# Altium PCB bio_dnt_#1.PcbDoc (part 1 of 2)
Units mm, origin at the board's own origin, x right, y up, seen from the top; angles counter-clockwise.
Board outline 120.8 x 64.8 mm, 4 copper layers (Top Layer, GND Layer, Signal Layer, Bottom Layer), stack 0.603 mm thick; 141 components, 144 nets, 614 pads, 298 vias.
Unrouted connection lines stored in the file: 15.
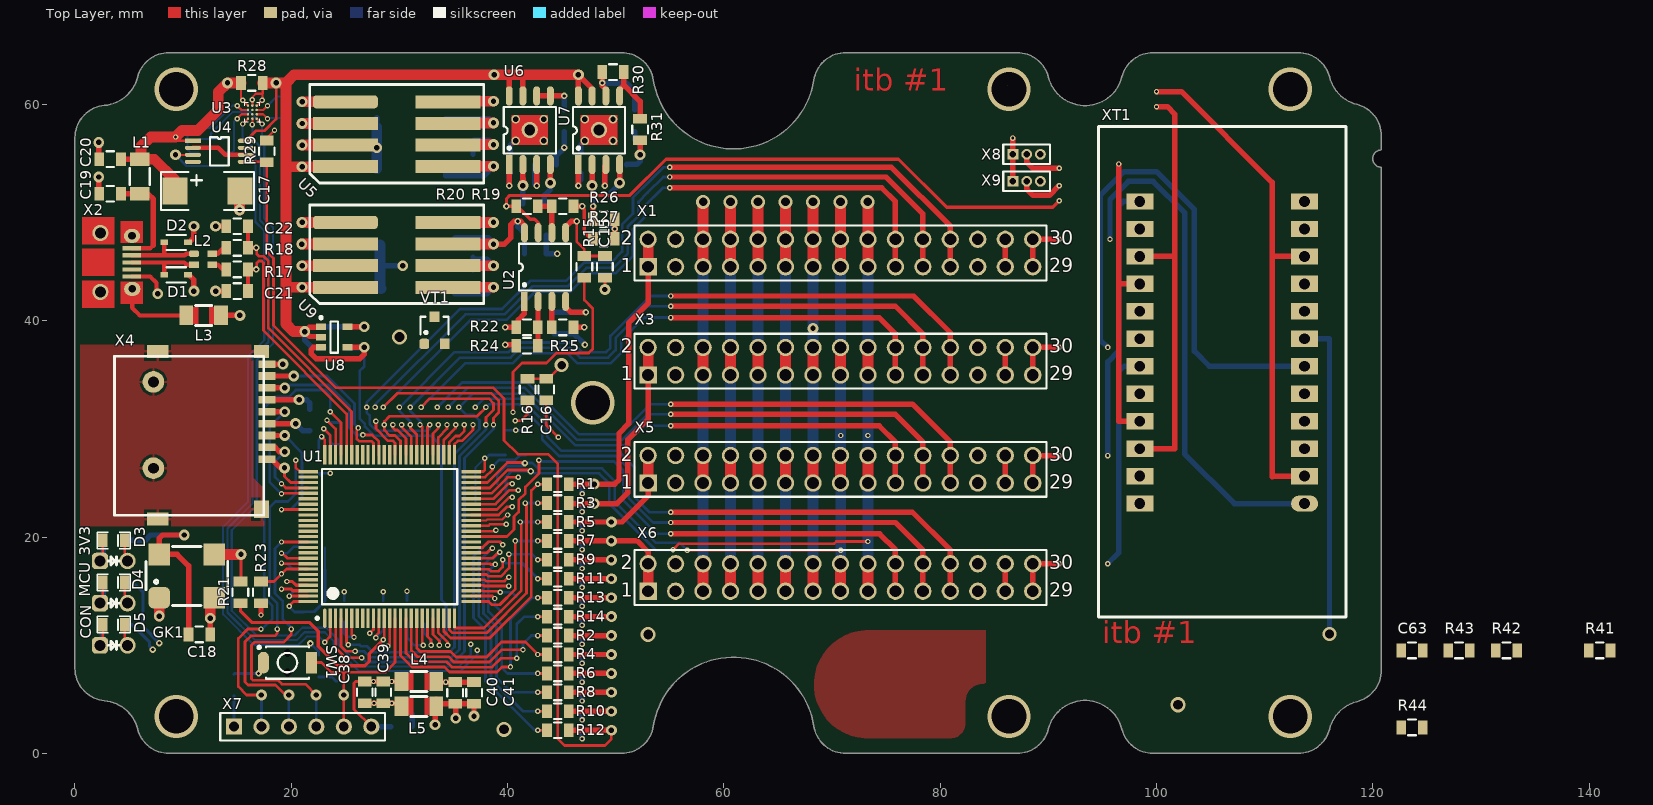
[diagram p0: Top Layer view]
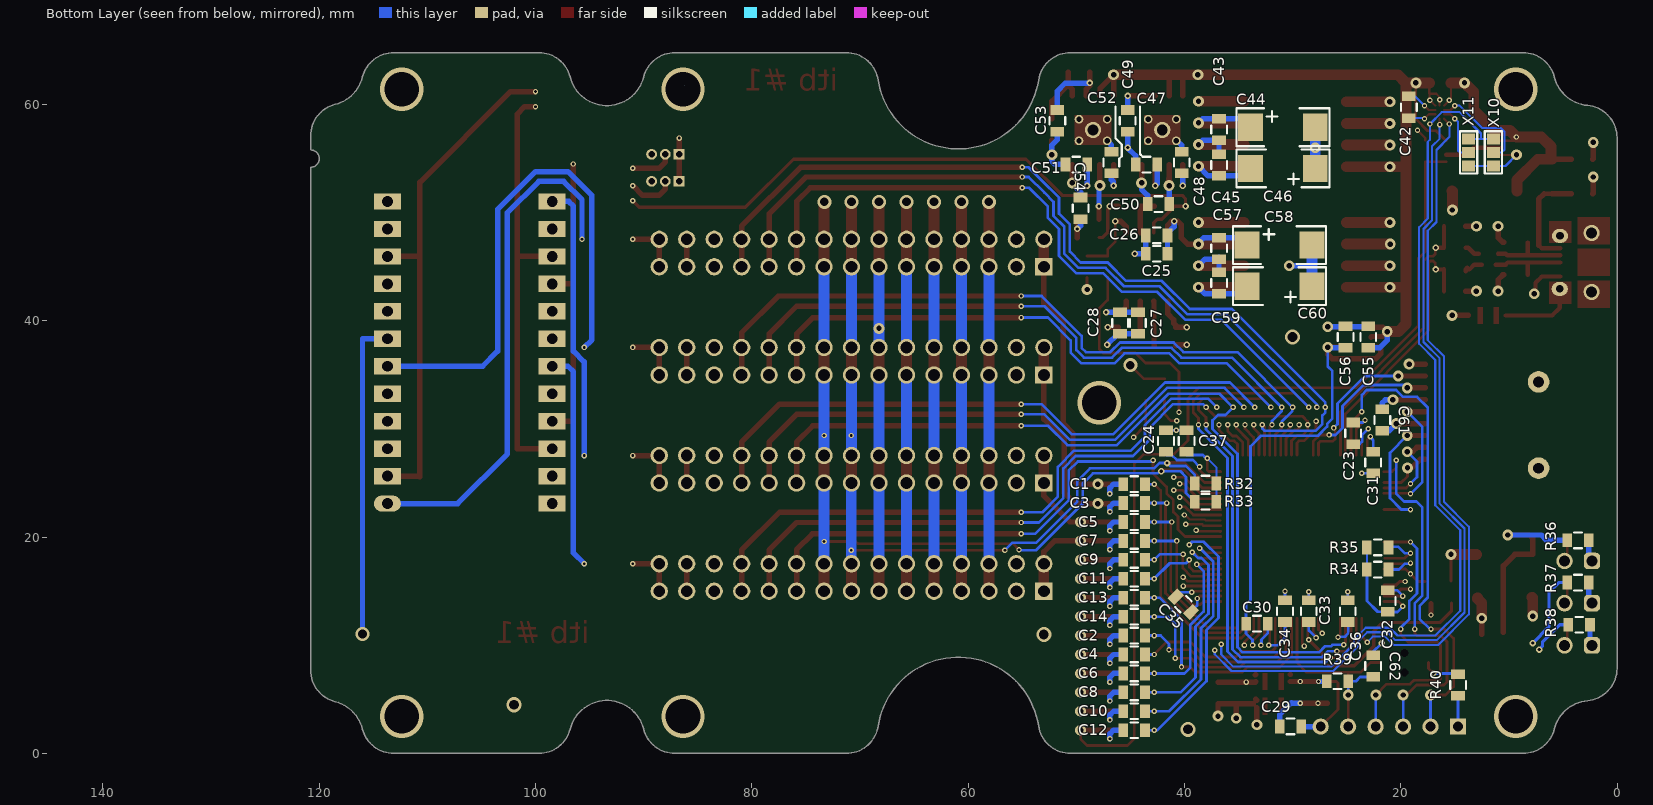
[diagram p1: Bottom Layer view, seen from below]
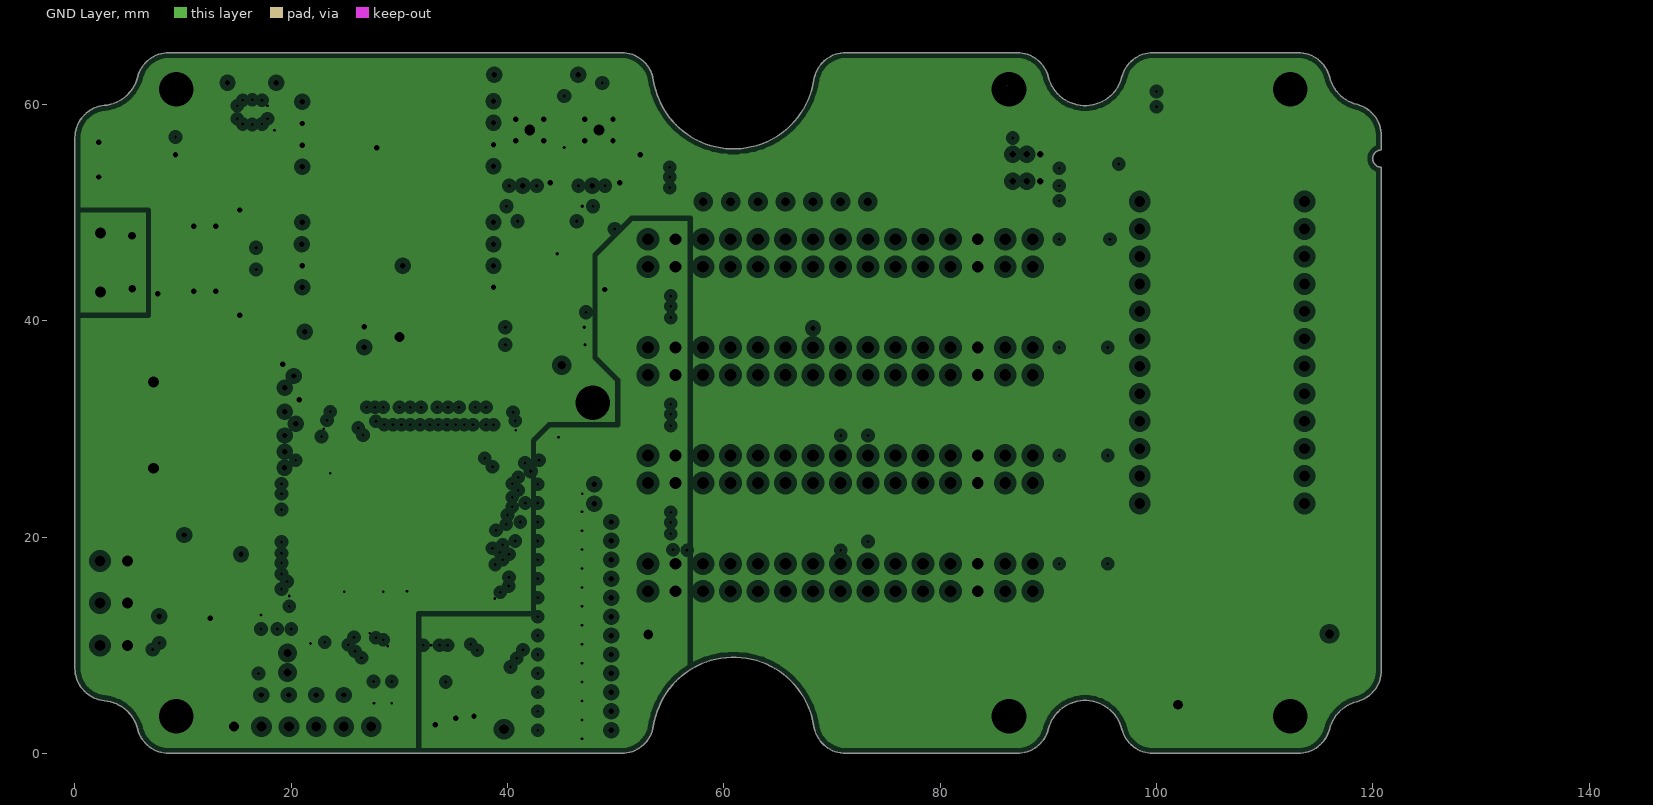
[diagram p2: GND Layer, clearances drawn from the general rule]
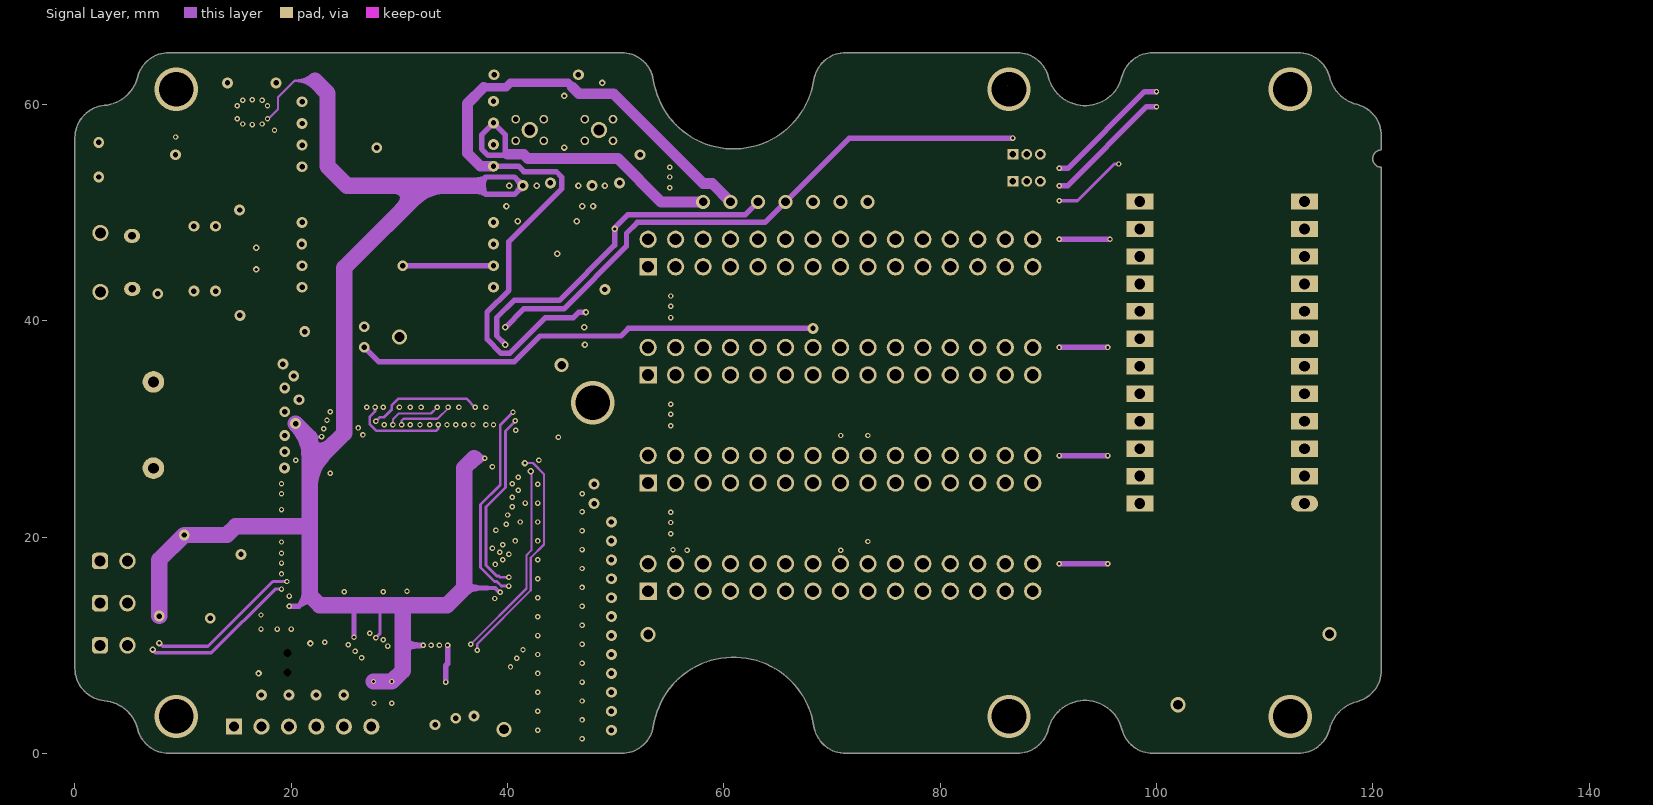
[diagram p3: Signal Layer]
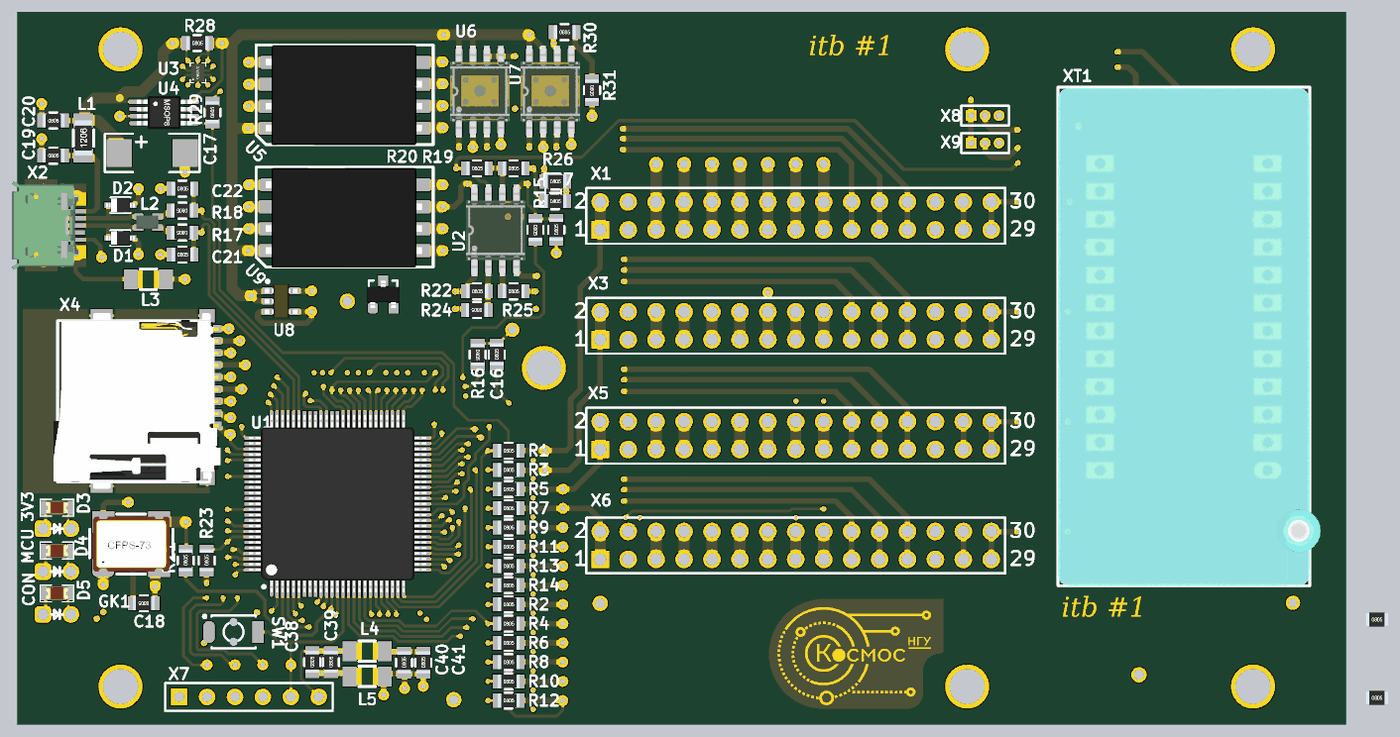
[diagram p5: 3D render of the assembled board from above, using the file's embedded part models]
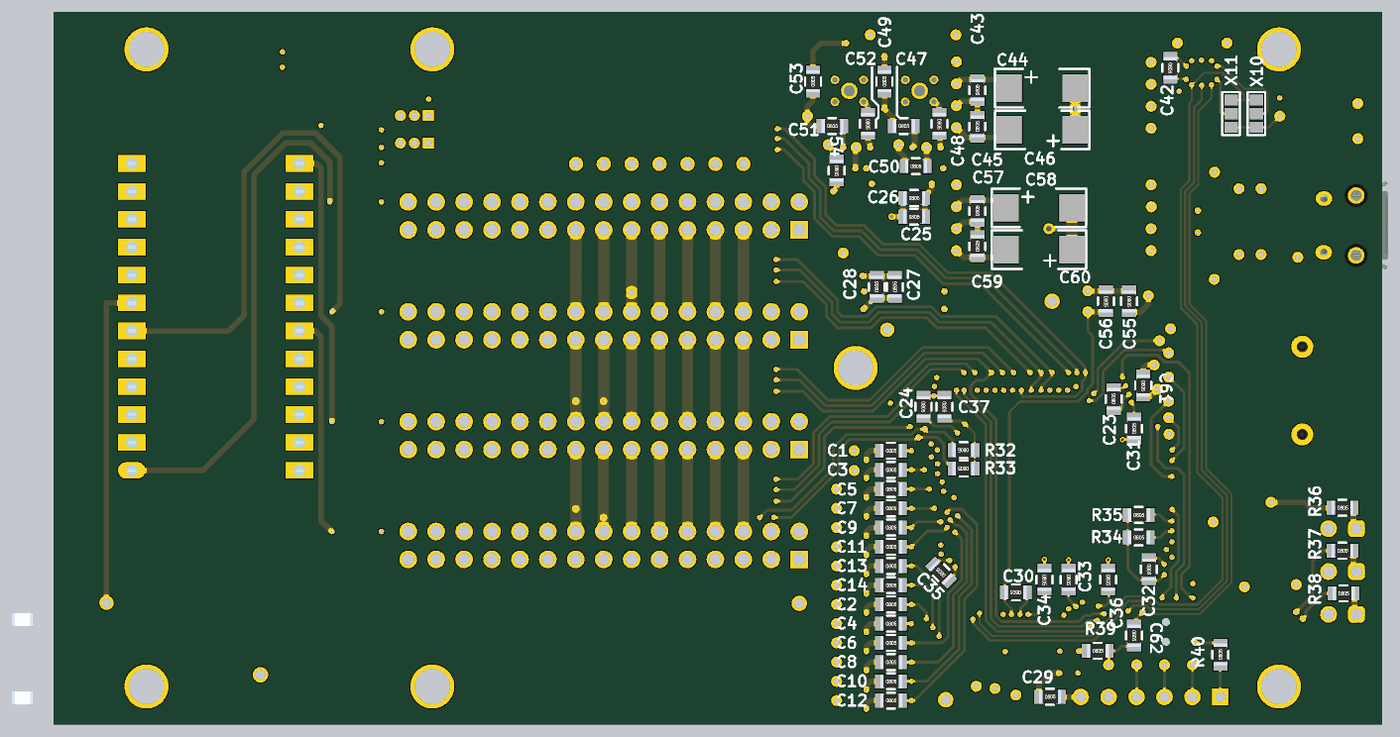
[diagram p6: 3D render of the assembled board from below, using the file's embedded part models]

## Layer stack, top to bottom
Top Solder: solder mask 0.0102, Solder Resist, Dk 3.5
Top Layer: signal copper 0.0356
Dielectric 3: prepreg 0.0711, PP-006, Dk 4.1
GND Layer: plane copper 0.035, net (Multiple Nets)
Dielectric 2: prepreg 0.0711, PP-006, Dk 4.1
Signal Layer: signal copper 0.035
Dielectric 1: dielectric 0.32, FR-4, Dk 4.8
Bottom Layer: signal copper 0.0356
Bottom Solder: solder mask 0.0102, Solder Resist, Dk 3.5

## Board outline
2.723,4.885 cw(c2.4,1.4) 5.792,2.262 ccw(c8.7,3) 8.7,0 50.523,0 ccw(c50.523,3) 53.488,2.543 cw(c60.9,1.4) 68.312,2.543 ccw(c71.277,3) 71.277,0 87.1,0 ccw(c87.1,3) 90.008,2.262 cw(c93.4,1.4) 96.792,2.262 ccw(c99.7,3) 99.7,0 113.1,0 ccw(c113.1,3) 116.008,2.262 cw(c119.4,1.4) 118.538,4.792 ccw(c117.8,7.7) 120.8,7.7 120.8,54.2 cw(c120.8,55) 120.8,55.8 120.8,57.1 ccw(c117.8,57.1) 118.538,60.008 cw(c119.4,63.4) 116.008,62.538 ccw(c113.1,61.8) 113.1,64.8 99.7,64.8 ccw(c99.7,61.8) 96.792,62.538 cw(c93.4,63.4) 90.008,62.538 ccw(c87.1,61.8) 87.1,64.8 71.277,64.8 ccw(c71.277,61.8) 68.312,62.257 cw(c60.9,63.4) 53.488,62.257 ccw(c50.523,61.8) 50.523,64.8 8.7,64.8 ccw(c8.7,61.8) 5.792,62.538 cw(c2.4,63.4) 2.723,59.915 ccw(c3,56.928) 0,56.928 0,7.872 ccw(c3,7.872)
cut-out: 86.25,61.75

## Design rules (kind name [scope] priority, off if disabled: settings)
Clearance [All] p1: gap=0.2 ignorepadtopadclearanceinfootprint=FALSE
DiffPairsRouting [All] p1: maxlimit=0.254 minlimit=0.2 mostfreqgap=0.2 toplayer_minwidth=0.2 toplayer_maxwidth=0.5 toplayer_prefwidth=0.25 midlayer1_minwidth=0.2 midlayer1_maxwidth=0.5 midlayer1_prefwidth=0.25 bottomlayer_minwidth=0.2 bottomlayer_maxwidth=0.5 bottomlayer_prefwidth=0.25 maxuncoupledlength=12.7
PlaneClearance [All] p1: clearance=0.508
PlaneConnect [All] p1: planeconnectstyle=Relief reliefexpansion=0.508 reliefentries=4 reliefconductorwidth=0.254 reliefairgap=0.254
PolygonConnect [All] p1: connectstyle=Relief reliefconductorwidth=0.254 reliefentries=4 polygonreliefangle="90 Angle" airgapwidth=0.254
RoutingVias [All] p1: holewidth=0.5 width=1 viastyle="Through Hole" minholewidth=0.2 minwidth=0.4 maxholewidth=3 maxwidth=5
SolderMaskExpansion [All] p1: expansion=0.102
UnRoutedNet [All] p1: checkbadconnections=TRUE
Width [All] p1: maxlimit=2 minlimit=0.2 preferedwidth=0.2
26 further rules are at their usual default settings.

## Classes and differential pairs
component class Power: C42 C43 C44 C45 C46 C47 C48 C49 C50 C51 C52 C53 C54 C55 C56 C57 C58 C59 C60 C63 R26 R27 R28 R29 R30 R31 R41 R42 R43 U3 U4 U5 U6 U7 U8 U9 VT1 X10 X11
component class bio_dnt_main: C17 C18 C19 C20 C21 C22 C23 C24 C25 C26 C27 C28 C29 C30 C31 C32 C33 C34 C35 C36 C37 C38 C39 C40 C41 C61 C62 D1 D2 D3 D4 D5 GK1 L1 L2 L3 L4 L5 R17 R18 R19 R20 R21 R22 R23 R24 R25 R32 R33 R34 R35 R36 R37 R38 R39 R40 R44 SW1 U1 U2 X1 X2 X3 X4 X5 X6 X7 X8 X9 XT1
component class "ADC filters": C1 C2 C3 C4 C5 C6 C7 C8 C9 C10 C11 C12 C13 C14 C15 C16 R1 R2 R3 R4 R5 R6 R7 R8 R9 R10 R11 R12 R13 R14 R15 R16

## Components (designator, comment, footprint, x,y, rotation, side; value= is the part's Value field where it differs from the comment)
C1 "4,7мкФ" CR-0805 45.65,24.9 r180 bottom
C2 "4,7мкФ" CR-0805 45.65,10.9 r180 bottom
C3 "4,7мкФ" CR-0805 45.65,23.15 r180 bottom
C4 "4,7мкФ" CR-0805 45.65,9.15 r180 bottom
C5 "4,7мкФ" CR-0805 45.65,21.4 r180 bottom
C6 "4,7мкФ" CR-0805 45.65,7.4 r180 bottom
C7 "4,7мкФ" CR-0805 45.65,19.65 r180 bottom
C8 "4,7мкФ" CR-0805 45.65,5.65 r180 bottom
C9 "4,7мкФ" CR-0805 45.65,17.9 r180 bottom
C10 "4,7мкФ" CR-0805 45.65,3.9 r180 bottom
C11 "4,7мкФ" CR-0805 45.65,16.15 r180 bottom
C12 "4,7мкФ" CR-0805 45.65,2.15 r180 bottom
C13 "4,7мкФ" CR-0805 45.65,14.4 r180 bottom
C14 "4,7мкФ" CR-0805 45.65,12.65 r180 bottom
C15 "4,7мкФ" CR-0805 49.004,44 r90 top
C16 "4,7мкФ" CR-0805 43.575,32.65 r90 top
C17 "33мкФ х 10В" C_SMD_SIZE_C 9.25,52 r0 top
C18 "0,1мкФ" CR-0805 12.5,11 r180 top
C19 "0,1мкФ" CR-0805 2.25,51.75 r0 top
C20 "0,1мкФ" CR-0805 2.25,54.95 r0 top
C21 "22пФ" CR-0805 14,42.75 r0 top
C22 "22пФ" CR-0805 14,48.75 r0 top
C23 "10мкФ" CR-0805 24.4,28.6 r90 bottom
C24 "10мкФ" CR-0805 41.704,29.9 r270 bottom
C25 "10мкФ" CR-0805 43.563,46.2 r180 bottom
C26 "0,1мкФ" CR-0805 43.563,47.9 r180 bottom
C27 "10мкФ" CR-0805 44.3,38.8 r90 bottom
C28 "0,1мкФ" CR-0805 45.95,38.8 r90 bottom
C29 "0,1мкФ" CR-0805 31.2,2.5 r180 bottom
C30 "0,1мкФ" CR-0805 32.3,12 r0 bottom
C31 "0,1мкФ" CR-0805 22.55,25.9 r90 bottom
C32 "0,1мкФ" CR-0805 21.2,15.1 r270 bottom
C33 "0,1мкФ" CR-0805 28.5,14.15 r270 bottom
C34 "0,1мкФ" CR-0805 30.7,14.15 r270 bottom
C35 "0,1мкФ" CR-0805 39.386,13.086 r45 bottom
C36 "0,1мкФ" CR-0805 24.9,14.15 r270 bottom
C37 "0,1мкФ" CR-0805 39.8,29.9 r270 bottom
C38 "10мкФ" CR-0805 26.8,4.65 r90 top
C39 "0,1мкФ" CR-0805 28.5,4.65 r90 top
C40 "0,1мкФ" CR-0805 35.15,4.6 r90 top
C41 "10мкФ" CR-0805 36.9,4.6 r90 top
C42 "0,22мкФ" CR-0805 19.25,60.75 r270 bottom
C43 "0,22мкФ" CR-0805 36.8,56.7 r90 bottom
C44 "10мкФ х 50В" C_SMD_size_C 33.9,57.9 r180 bottom
C45 "0,22мкФ" CR-0805 36.8,53.4 r90 bottom
C46 "10мкФ х 50В" C_SMD_size_C 27.9,54.1 r0 bottom
C47 "1мкФ" CR-0805 44.5,54.45 r180 bottom
C48 "10мкФ" CR-0805 40.25,55.65 r270 bottom
C49 "1мкФ" CR-0805 45.25,57.5 r90 bottom
C50 "10мкФ" CR-0805 43.4,50.8 r180 bottom
C51 "1мкФ" CR-0805 51,54.45 r180 bottom
C52 "10мкФ" CR-0805 46.75,55.65 r270 bottom
C53 "1мкФ" CR-0805 51.75,57.5 r90 bottom
C54 "10мкФ" CR-0805 49.6,51.4 r270 bottom
C55 "0,1мкФ" CR-0805 23,39.5 r270 bottom
C56 "0,1мкФ" CR-0805 25.1,39.5 r270 bottom
C57 "0,22мкФ" CR-0805 36.8,45.7 r90 bottom
C58 "10мкФ х 50В" C_SMD_size_C 34.2,47 r180 bottom
C59 "0,22мкФ" CR-0805 36.8,42.5 r90 bottom
C60 "10мкФ х 50В" C_SMD_size_C 28.2,43.2 r0 bottom
C61 "0,1мкФ" CR-0805 21.7,31.825 r270 bottom
C62 "0,1мкФ" CR-0805 22.55,9.075 r270 bottom
C63 "10мкФ" CR-0805 122.632,9.527 r0 top
D1 "PESD5V0" SOD-323 8.25,44.25 r270 top
D2 "PESD5V0" SOD-323 8.25,47.25 r270 top
D3 "LED" LED-0805 2.568,19.7 r0 top value=red
D4 "LED" LED-0805 2.568,15.8 r0 top value=green
D5 "LED" LED-0805 2.568,11.9 r0 top value=yellow
GK1 "VCC1" "5X7 CRYSTALL OSCILLATIOR" 7.8,14.4 r0 top
L1 "1мкГн" CR-1206 6,51.75 r90 top
L2 "65Ohm@100MHz" ACM2012 11,46.2 r0 top
L3 "1мкГн" CR-1206-0805 10.3,40.5 r0 top
L4 "1мкГн" CR-1206-0805 30.2,6.65 r0 top
L5 "1мкГн" CR-1206-0805 33.4,4.35 r180 top
R1 "100" CR-0805 43.65,24.9 r0 top
R2 "100" CR-0805 43.65,10.9 r0 top
R3 "100" CR-0805 43.65,23.15 r0 top
R4 "100" CR-0805 43.65,9.15 r0 top
R5 "100" CR-0805 43.65,21.4 r0 top
R6 "100" CR-0805 43.65,7.4 r0 top
R7 "100" CR-0805 43.65,19.65 r0 top
R8 "100" CR-0805 43.65,5.65 r0 top
R9 "100" CR-0805 43.65,17.9 r0 top
R10 "100" CR-0805 43.65,3.9 r0 top
R11 "100" CR-0805 43.65,16.15 r0 top
R12 "100" CR-0805 43.65,2.15 r0 top
R13 "100" CR-0805 43.65,14.4 r0 top
R14 "100" CR-0805 43.65,12.65 r0 top
R15 "100" CR-0805 47.1,46 r270 top
R16 "100" CR-0805 41.85,34.65 r270 top
R17 "27" CR-0805 16,44.75 r180 top
R18 "27" CR-0805 16,46.75 r180 top
R19 "1к" CR-0805 44.1,50.6 r0 top
R20 "9к" CR-0805 40.8,50.6 r0 top
R21 "27" CR-0805 15.296,13.9 r90 top
R22 "1к" CR-0805 40.8,39.4 r0 top
R23 "1к" CR-0805 17.2,13.9 r90 top
R24 "1к" CR-0805 42.8,37.7 r180 top
R25 "1к" CR-0805 44.1,39.4 r0 top
R26 "8к2" CR-0805 47.9,49.4 r0 top
R27 "910" CR-0805 47.9,47.6 r0 top
R28 "1" CR-0805 15.35,62 r0 top
R29 "1к" CR-0805 17.725,54.675 r90 top
R30 "0" CR-0805 48.75,63 r0 top
R31 "10к" CR-0805 52.25,58.7 r270 top
R32 "10к" CR-0805 37.05,24.95 r0 bottom
R33 "10к" CR-0805 37.05,23.275 r0 bottom
R34 "10к" CR-0805 23.125,17 r180 bottom
R35 "10к" CR-0805 23.125,19.05 r180 bottom
R36 "5к" CR-0805 4.6,19.7 r180 bottom
R37 "5к" CR-0805 4.6,15.8 r180 bottom
R38 "5к" CR-0805 4.5,11.9 r180 bottom
R39 "10к" CR-0805 26.85,6.675 r180 bottom
R40 "500" CR-0805 14.7,5.325 r90 bottom
R41 "1" CR-0805 139.983,9.527 r0 top
R42 "5к" CR-0805 131.358,9.527 r0 top
R43 "20к" CR-0805 126.983,9.527 r0 top
R44 "10к" CR-0805 122.632,2.401 r0 top
SW1 "Push button" TVAF06 17.425,8.4 r0 top
U1 "STM32F405VGT7" LQFP100 23.1,12.5 r90 top
U2 "ADA4062-2ARZ" SOIC-8 41.56,41.8 r0 top
U3 "INA231" DSBGA-12 16.8,58.7 r180 top
U4 "AD8212" MSOP-8 10.9,56.65 r0 top
U5 "TDN 5 WISM" "TDN 5 WISM" 25,60.25 r0 top
U6 "ADM7150" "SOIC-8 + EXPOSED PAD" 40.15,54.45 r0 top
U7 "ADM7151" "SOIC-8 + EXPOSED PAD" 46.55,54.45 r0 top
U8 "ADR39х" TSOT-5 22.75,39.45 r0 top
U9 "TDN 5 WISM" "TDN 5 WISM" 25,49.1 r0 top
VT1 "BC846BWT1" SOT-23 33.25,39.125 r0 top
X1 "HDR2X15" HDR2X15 53,45 r0 top
X2 "mico-BF" "USB MICRO-BF" 5.25,45.4 r270 top
X3 "HDR2X15" HDR2X15 53,35 r0 top
X4 "SD-card" "SD-CARD HOLDER" 7.25,29.425 r270 top
X5 "HDR2X15" HDR2X15 53,25 r0 top
X6 "HDR2X15" HDR2X15 53,15 r0 top
X7 "Header 6" HDR1X6 14.7,2.48 r0 top
X8 "MHDR1X3" MHDR1X3 86.73,55.4 r0 top
X9 "MHDR1X3" MHDR1X3 86.73,52.9 r0 top
X10 "MHDR1X3" SJMP-3 11.425,54.325 r180 bottom
X11 "MHDR1X3" SJMP-3 13.725,54.325 r180 bottom
XT1 "DS-1043-24" DS-1043-24 113.7,23.1 r90 top

## Footprints (in the part's own frame and the unit in brackets; to place one, negate y for a bottom-side part, rotate by r counter-clockwise, add the part's x,y. Pads: shape width x height; smd on the part's side, far side on the other; paste and mask are expansions set on the pad)
"5X7 CRYSTALL OSCILLATIOR" [mm]
  rrect50% 2x2 smd: 1(0,0)
  rect 2x2 smd: 2(5.08,0) 3(5.08,4) 4(0,4)
  silkscreen extent -1.22,-0.72 6.32,4.72, body extent -0.95,-0.51 6.05,4.51, height 1.52
ACM2012 [mm]
  rrect50% 0.9x0.6 smd: 1(0,0)
  rect 0.9x0.6 smd: 2(0,-1) 3(1.7,-1) 4(1.7,0)
  body extent -0.2,-1.1 1.8,0.1, height 1.29